# Altium PCB ES_Class6C_2L.PcbDoc
Units mm, origin at the board's own origin, x right, y up, seen from the top; angles counter-clockwise.
Board outline 120 x 30 mm, 2 copper layers (Top Layer, Bottom Layer), stack 1.586 mm thick; 66 components, 40 nets, 235 pads, 122 vias.
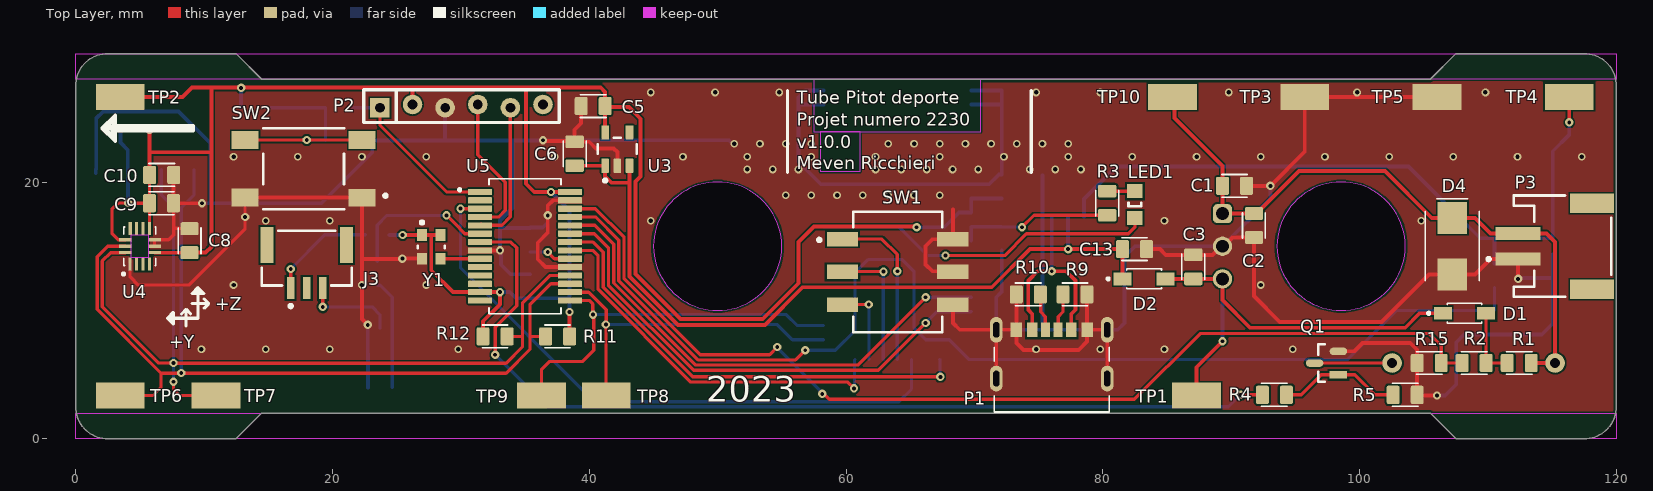
[diagram p0: Top Layer view]
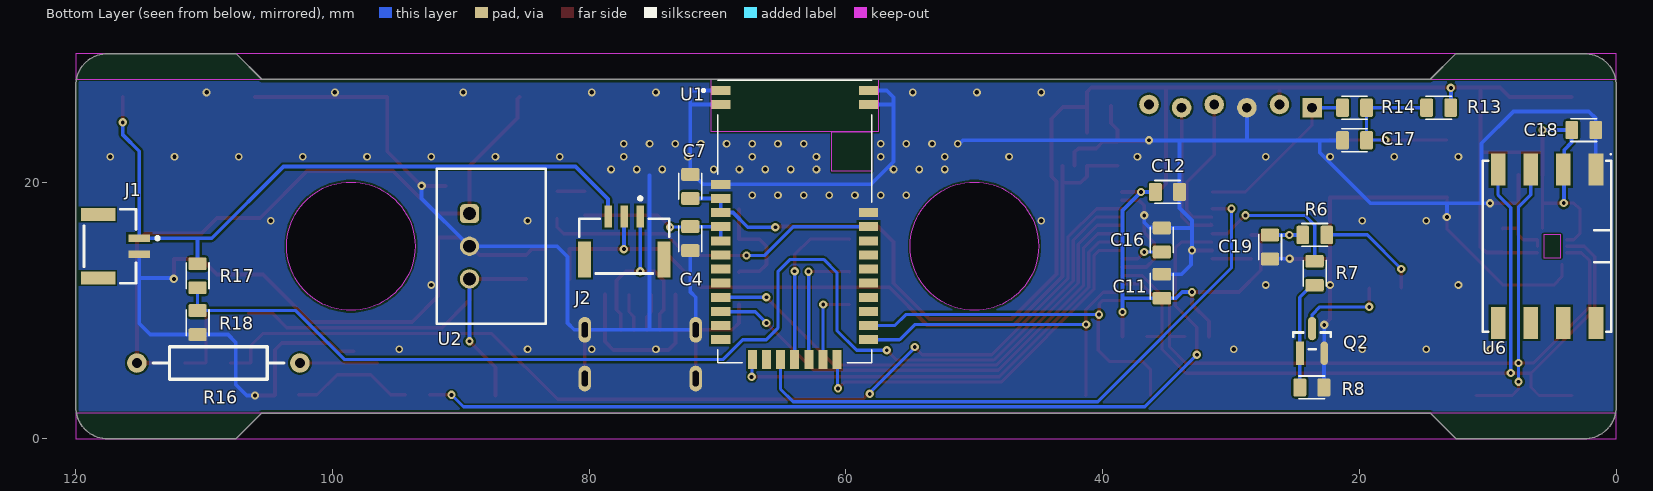
[diagram p1: Bottom Layer view, seen from below]
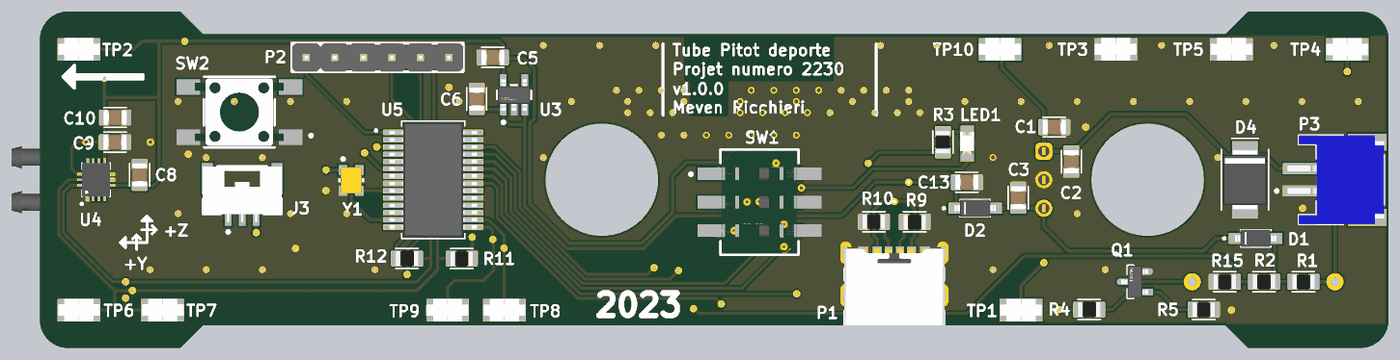
[diagram p2: 3D render of the assembled board from above, using the file's embedded part models]
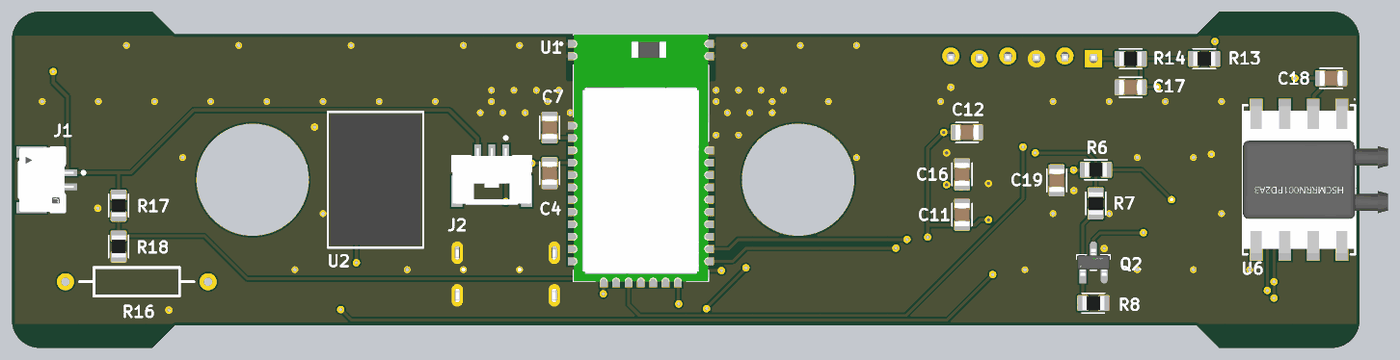
[diagram p3: 3D render of the assembled board from below, using the file's embedded part models]

## Layer stack, top to bottom
Top Solder: solder mask 0.0102, Solder Resist, Dk 3.5
Top Layer: signal copper 0.018
Dielectric1: core 1.55, FR-4, Dk 4.8
Bottom Layer: signal copper 0.018
Bottom Solder: solder mask 0.0102, Solder Resist, Dk 3.5

## Board outline
2.5,0 12.5,0 14.5,2 105.5,2 107.5,0 117.5,0 ccw(c117.5,2.5) 120,2.5 120,27.5 ccw(c117.5,27.5) 117.5,30 107.5,30 105.5,28 14.5,28 12.5,30 2.5,30 ccw(c2.5,27.5) 0,27.5 0,2.5 ccw(c2.5,2.5)

## Design rules (kind name [scope] priority, off if disabled: settings)
BoardOutlineClearance [All] p1: gap=0.25 ignorepadtopadclearanceinfootprint=FALSE except(0: Arc-SplitContinuation Track-SplitContinuation SMDPad-SplitContinuation THPad-SplitContinuation Via-SplitContinuation Fill-SplitContinuation Poly-SplitContinuation Region-SplitContinuation Text-SplitContinuation)
Clearance Clearance-xPP-xTP-xTT [All] p1: gap=0.151 ignorepadtopadclearanceinfootprint=FALSE
ComponentClearance [All] p1: gap=0.25 collisioncheckmode=3 verticalgap=0.25 showdistances=FALSE
DiffPairsRouting [All] p1: maxlimit=0.25 minlimit=0.25 mostfreqgap=0.25 toplayer_minwidth=0.381 toplayer_maxwidth=0.381 toplayer_prefwidth=0.381 bottomlayer_minwidth=0.381 bottomlayer_maxwidth=0.381 bottomlayer_prefwidth=0.381 maxuncoupledlength=12.5
Height [All] p1: minheight=0 maxheight=25 prefheight=12.5
HoleSize HoleSize-PTH [All] p1: absolutevalues=TRUE maxlimit=10 minlimit=0.25 maxpercent=80.000 minpercent=20.000
HoleToHoleClearance [All] p1: gap=0.35 allowstackedmicrovias=TRUE
MinimumAnnularRing "Minimum IAR  >0.45mm" [((ObjectKind = 'Pad') OR (ObjectKind = 'Via')) And (Layer = 'MultiLayer') And (HoleDiameter > AsMM(0.45))] p1: minimumring=0.175 // minimum inner annular ring for pads > 0.45mm finished hole size
MinimumAnnularRing "Minimum IAR <=0.45mm" [((ObjectKind = 'Pad') OR (ObjectKind = 'Via')) And (Layer = 'MultiLayer') And (HoleDiameter <= AsMM(0.45))] p2: minimumring=0.175 // minimum inner annular ring for pads <= 0.45mm finished hole size
MinimumSolderMaskSliver [All] p1: minsoldermaskwidth=0.08
PasteMaskExpansion [All] p1: expansion=-0.025
PlaneClearance PlaneClearance-IPI [All] p1: clearance=0.25
PlaneConnect [All] p1: planeconnectstyle=Relief reliefexpansion=0.175 reliefentries=4 reliefconductorwidth=0.2 reliefairgap=0.2
PolygonConnect PolygonConnect-xTW [All] p1: connectstyle=Direct reliefconductorwidth=0.2 reliefentries=4 polygonreliefangle="90 Angle" airgapwidth=0.2
RoutingCorners [All] p1: cornerstyle=45-Degree minsetback=2.5 maxsetback=2.5
RoutingVias RoutingViasES [All] p1: holewidth=0.3 width=0.65 viastyle="Through Hole" minholewidth=0.25 minwidth=0.61 maxholewidth=0.45 maxwidth=0.8 // finishet hole size <= 0.45mm
SilkToSilkClearance [All] p1: silktosilkclearance=0.2
SilkToSolderMaskClearance SilkscreenOverComponentPads [IsPad] p1: minsilkscreentomaskgap=0.05 clearancetoexposedcopper=TRUE
SolderMaskExpansion [All] p1: expansion=0 istentingtop=FALSE
UnRoutedNet [All] p1: checkbadconnections=TRUE
Width Width-PowerLine [InNetClass('PowerLine')] p1: maxlimit=0.5 minlimit=0.254 preferedwidth=0.3
Width Width-AllOther [All] p2: maxlimit=0.254 minlimit=0.254 preferedwidth=0.254
17 further rules are at their usual default settings.

## Classes and differential pairs
net class PowerLine: +3V3 +4V5 +5V GND VBAT VBUS VGEN

## Components (designator, comment, footprint, x,y, rotation, side; value= is the part's Value field where it differs from the comment)
C1 "25V" "0805 CAP T0.95" 90.26,19.7 r180 top value=10uF
C2 "25V" "0805 CAP T0.75" 91.775,16.615 r90 top value=100nF
C3 "10V" "0805 CAP T0.95" 87.05,13.395 r270 top value=10uF
C4 "10V" "0805 CAP T0.75" 72.125,15.59 r90 bottom value=1uF
C5 "10V" "0805 CAP T0.95" 40.306,25.916 r0 top value=1uF
C6 "10v" "0805 CAP T0.95" 38.866,22.201 r270 top value=1uF
C7 "10V" "0805 CAP T0.75" 72.125,19.66 r270 bottom value=100nF
C8 "10V" "0805 CAP T0.75" 8.875,15.435 r270 top value=10nF
C9 "10V" "0805 CAP T0.75" 6.685,18.35 r180 top value=100nF
C10 "10V" "0805 CAP T0.75" 6.697,20.55 r180 top value=2.2uF
C11 "10V" "0805 CAP T0.75" 35.4,11.885 r270 bottom value=100nF
C12 "10V" "0805 CAP T0.75" 34.965,19.228 r0 bottom value=100nF
C13 "10V" "0805 CAP T0.95" 82.475,14.775 r180 top value=10uF
C16 "10V" "0805 CAP T0.95" 35.4,15.485 r270 bottom value=10uF
C17 "10V" "0805 CAP T0.75" 20.39,23.25 r180 bottom value=100nF
C18 "10V" "0805 CAP T0.75" 2.535,24.05 r0 bottom value=100nF
C19 "10V" "0805 CAP T0.75" 26.975,14.94 r270 bottom value=10nF
D1 "BAT46W-7-F" SOD123 108.175,9.775 r180 top
D2 "BAT46W-7-F" SOD123 83.22,12.46 r180 top
D4 "B260-13-F" SMB-2 107.225,15 r90 top
J1 "SM02B-GHS-TB(LF)(SN)" FP-SM02B-GHS-TB_LF_SN-MFG 117.325,15 r270 bottom
J2 "BM03B-GHS-TBT(LF)(SN)(N)" FP-BM03B-GHS-TBT_LF_SN-MFG 77.275,15 r180 bottom locked
J3 "BM03B-GHS-TBT(LF)(SN)(N)" FP-BM03B-GHS-TBT_LF_SN-MFG 18,14.065 r180 top
LED1 "150080RS75000" 0805_A 82.5,18.25 r90 top
P1 "UJC-HP-3-SMT-TR" UJC-HP-3-SMT-TR 76.025,5.825 r0 top
P2 "ICSP" ICSP 23.7,25.914 r0 top
P3 "S2B-PH-SM4-TB(LF)(SN)" "JST- S2B-PH-SM4-TB(LF)(SN)-2_V" 115.8,15 r90 top
Q1 "DMG3414U-7" FP-SOT23-IPC_B 97.427,5.9 r180 top
Q2 "BSS138" FP-318-08-IPC_A 23.7,7.628 r90 bottom
R1 "Res2" "0805 Res" 112.43,5.905 r0 top value=10k
R2 "Res2" "0805 Res" 108.92,5.905 r180 top value=2k
R3 "Res2" "0805 Res" 80.345,18.35 r90 top value=260
R4 "Res2" "0805 Res" 93.365,3.425 r0 top value=430
R5 "Res2" "0805 Res" 103.55,3.425 r180 top value=10k
R6 "Res2" "0805 Res" 23.49,15.885 r180 bottom value=80
R7 "Res2" "0805 Res" 23.5,12.89 r270 bottom value=430
R8 "Res2" "0805 Res" 23.715,4 r180 bottom value=10k
R9 "Res2" "0805 Res" 77.835,11.245 r180 top value=5.1k
R10 "Res2" "0805 Res" 74.205,11.245 r0 top value=5.1k
R11 "Res2" "0805 Res" 37.535,7.975 r180 top value=10k
R12 "Res2" "0805 Res" 32.665,7.975 r0 top value=10k
R13 "Res2" "0805 Res" 13.84,25.787 r0 bottom value=10k
R14 "Res2" "0805 Res" 20.39,25.787 r180 bottom value=1k
R15 "Res2" "0805 Res" 105.42,5.905 r0 top value=3k
R16 "Res2" "RES 2W" 102.53,5.905 r0 bottom value=0
R17 "Res2" "0805 Res" 110.5,12.7 r270 bottom value=5k
R18 "Res2" "0805 Res" 110.5,9.05 r270 bottom value=5k
SW1 "219-3MSTR" FP-219-3MSTR-MFG 64.025,13 r270 top locked
SW2 "FSM2JSMAA" FP-FSM2JSMAA-MFG 17.75,21.035 r270 top
TP1 "5019" KSTN-5019_V 87.3,3.375 r180 top
TP2 "5019" KSTN-5019_V 3.475,26.625 r0 top
TP3 "5019" KSTN-5019_V 95.725,26.625 r0 top
TP4 "5019" KSTN-5019_V 116.325,26.625 r180 top
TP5 "5019" KSTN-5019_V 106.025,26.625 r0 top
TP6 "5019" KSTN-5019_V 3.475,3.375 r0 top
TP7 "5019" KSTN-5019_V 10.925,3.375 r0 top
TP8 "5019" KSTN-5019_V 41.325,3.375 r180 top
TP9 "5019" KSTN-5019_V 36.275,3.375 r180 top
TP10 "5019" KSTN-5019_V 85.425,26.625 r0 top
U1 "RN4678-V/100" RN4678-V_RM100 64,16.925 r180 bottom locked
U2 "173950536" 173950536 87.625,15 r270 bottom locked
U3 "TLV74333PDBVR" FP-DBV0005A-MFG 42.191,22.566 r90 top
U4 "ICM-42670-P" ICM-42670-P 5,15 r90 top locked
U5 "PIC32MX130F064B-I/SS" PIC32MX130F064B-I/SS 35,15 r0 top locked
U6 "785-HSCMRRN001PD2A3" HSCMRRN001PD2A3 5.4,15 r0 bottom
Y1 "ECS-2033-147.4-BN" FP-ECS-2033-MFG 27.7,14.95 r270 top

## Footprints (in the part's own frame and the unit in brackets; to place one, negate y for a bottom-side part, rotate by r counter-clockwise, add the part's x,y. Pads: shape width x height; smd on the part's side, far side on the other; paste and mask are expansions set on the pad)
"0805 CAP T0.75" [mm] "Small chip"
  rrect25% 1x1.42 smd: 1(-0.935,0) 2(0.935,0)
  silkscreen extent -1,-0.89 1,0.89, body extent -1.05,-0.67 1.05,0.67, height 0.75
"0805 CAP T0.95" [mm]
  rrect25% 1x1.42 smd: 1(-0.935,0) 2(0.935,0)
  silkscreen extent -1,-0.89 1,0.89, body extent -1.05,-0.67 1.05,0.67, height 0.95
"0805 Res" [mm]
  rrect25% 1x1.42 smd: 1(-0.935,0) 2(0.935,0)
  silkscreen extent -1,-0.89 1,0.89, body extent -1,-0.62 1,0.63, height 0.5
0805_A [mm] "Chip LED, 2-Leads, Body 2.0x1.3mm, IPC Medium Density"
  rect 1.1x1.2 smd: 1(-1.05,0) 2(1.05,0)
  silkscreen extent -0.15,-0.5 0.15,0.5, body extent -1,-0.62 1,0.63, height 0.68
173950536 [mm] "Alim Buck All In"
  rrect50% 1.5x1.5 hole 1: 1(-2.54,-1.7)
  round 1.5 hole 1: 2(0,-1.7) 3(2.54,-1.7)
  silkscreen extent -6.05,-4.25 6.05,4.25, body extent -5.8,-4 5.8,4, height 10.5
FP-219-3MSTR-MFG [mm]
  rect 1.13x2.44 smd paste+0 mask+0: 1(-2.54,-4.3) 2(0,-4.3) 3(2.54,-4.3) 4(2.54,4.3) 5(0,4.3) 6(-2.54,4.3)
  silkscreen extent -4.69,-6.23 4.69,3.47, body extent -4.54,-4.95 4.54,4.95, height 4.58
FP-318-08-IPC_A [mm]
  rect 1.824x0.618 smd paste+0 mask+0: 1(-0.96,0.95)
  rrect100% 1.824x0.618 smd paste+0 mask+0: 2(-0.96,-0.95) 3(0.96,0)
  silkscreen extent -0.65,-1.45 0.65,1.45, body extent -1.2,-1.45 1.2,1.45, height 1.11
FP-BM03B-GHS-TBT_LF_SN-MFG [mm]
  rect 0.6x1.7 smd paste+0 mask+0: 1(1.25,2.325) 2(0,2.325) 3(-1.25,2.325)
  rect 1x2.8 smd paste+0 mask+0: 4(-3.1,-1.025) 5(3.1,-1.025)
  silkscreen extent -3.5,-2.12 3.5,3.85, body extent -3.5,-2.13 3.5,2.83, height 4.25
FP-DBV0005A-MFG [mm]
  rrect17% 1.1x0.6 smd paste+0 mask+0: 1(-1.3,0.95) 2(-1.3,0) 3(-1.3,-0.95) 4(1.3,-0.95) 5(1.3,0.95)
  silkscreen extent -2.57,-1.53 0.87,1.53, body extent -1.95,-1.78 1.95,1.78, height 0.25
FP-ECS-2033-MFG [mm]
  rect 0.9x0.8 smd paste+0 mask+0: 1(-0.925,-0.725) 2(0.925,-0.725) 3(0.925,0.725) 4(-0.925,0.725)
  silkscreen extent -2.02,-1.05 0.1,1.05, body extent -1.48,-1.22 1.48,1.22, height 0.25
FP-FSM2JSMAA-MFG [mm]
  rect 1.38x2.1 smd paste+0 mask+0: 1(2.25,4.55) 2(2.24,-4.55) 3(-2.24,4.55) 4(-2.24,-4.55)
  silkscreen extent -3.15,-3.15 3.15,6.5, body extent -3.25,-5.7 3.25,5.7, height 0.25
FP-SM02B-GHS-TB_LF_SN-MFG [mm]
  rect 0.6x1.7 smd paste+0 mask+0: 1(-0.625,2.275) 2(0.625,2.275)
  rect 1x2.7 smd paste+0 mask+0: 3(-2.475,-0.925) 4(2.475,-0.925)
  silkscreen extent -2.88,-2.02 2.88,3.82, body extent -2.88,-2.02 2.88,2.83, height 4.35
FP-SOT23-IPC_B [mm]
  rect 1.359x0.587 smd paste+0 mask+0: 1(-0.927,0.915)
  rrect100% 1.359x0.587 smd paste+0 mask+0: 2(-0.927,-0.915) 3(0.927,0)
  silkscreen extent 0.13,-1.45 0.65,1.45, body extent -1.2,-1.45 1.2,1.45, height 1.1
HSCMRRN001PD2A3 [mm] "Capteur pression diff"
  rect 1.143x2.5 smd: 1(-3.81,-5.97) 2(-1.27,-5.97) 3(1.27,-5.97) 4(3.81,-5.97) 5(3.81,5.97) 6(1.27,5.97) 7(-1.27,5.97) 8(-3.81,5.97)
  silkscreen extent -5,-7.21 5,6.65, body extent -7.9,-6.55 5,6.55, height 6.7
ICM-42670-P [mm] "IMU 6-axes"
  rect 1x0.25 smd mask+0.05: 1(-1.397,0.762) 2(-1.397,0.254) 3(-1.397,-0.254) 4(-1.397,-0.762) 8(1.391,-0.75) 9(1.391,-0.25) 10(1.391,0.25) 11(1.391,0.75)
  rect 0.25x1 smd mask+0.05: 5(-0.5,-1.141) 6(0,-1.141) 7(0.5,-1.141) 12(0.5,1.141) 13(0,1.141) 14(-0.5,1.141)
  Keep-Out Layer region: 0.9,-0.65 -0.9,-0.65 -0.9,0.65 0.9,0.65
  silkscreen extent -2.26,-1.25 1.5,1.37, body extent -1.5,-1.25 1.5,1.25, height 0.81
ICSP [mil]
  rect 60x60 hole 30: 1(0,-5)
  round 60 hole 30: 2(100,5) 3(200,-5) 4(300,5) 5(400,-5) 6(500,5)
  silkscreen extent -50,-50 550,50, body extent -50,-50 550,50, height 330
"JST- S2B-PH-SM4-TB(LF)(SN)-2_V" [mm] "SMD, 2-Leads, Body 7.9x7.6mm, Pitch 2mm"
  rect 1x3.5 smd: 1(-1,3.45) 2(1,3.45)
  rect 1.5x3.4 smd: MP1(-3.35,-2.3) MP2(3.35,-2.3)
  silkscreen extent -3.95,-3.8 3.95,5.87, body extent -3.95,-3.8 3.95,4.8, height 5.6
KSTN-5019_V [mm] "Test Point, 1-Leads, Body 3.81x2.03mm"
  rect 3.8x2.03 smd: 1(0,0)
  body extent -1.91,-1.02 1.9,1.02, height 2.29
PIC32MX130F064B-I/SS [mm]
  rrect25% 1.9x0.48 smd: 1(-3.505,4.225) 2(-3.505,3.575) 3(-3.505,2.925) 4(-3.505,2.275) 5(-3.505,1.625) 6(-3.505,0.975) 7(-3.505,0.325) 8(-3.505,-0.325) 9(-3.505,-0.975) 10(-3.505,-1.625) 11(-3.505,-2.275) 12(-3.505,-2.925) 13(-3.505,-3.575) 14(-3.505,-4.225) 15(3.505,-4.225) 16(3.505,-3.575) 17(3.505,-2.925) 18(3.505,-2.275) 19(3.505,-1.625) 20(3.505,-0.975) 21(3.505,-0.325) 22(3.505,0.325) 23(3.505,0.975) 24(3.505,1.625) 25(3.505,2.275) 26(3.505,2.925) 27(3.505,3.575) 28(3.505,4.225)
  silkscreen extent -5.19,-5.25 2.8,5.25, body extent -3.9,-5.1 3.9,5.1, height 2
"RES 2W" [mil]
  round 60 hole 30: 1(0,0) 2(500,0)
  silkscreen extent 50,-50 450,50
RN4678-V_RM100 [mm] "Module bluetooth"
  rect 1.5x0.7 smd: 1(-5.75,10.2) 2(-5.75,9.1) 3(-5.75,2.9) 4(-5.75,1.8) 5(-5.75,0.7) 6(-5.75,-0.4) 7(-5.75,-1.5) 8(-5.75,-2.6) 9(-5.75,-3.7) 10(-5.75,-4.8) 11(-5.75,-5.9) 12(-5.75,-7) 13(-5.75,-8.1) 14(-5.75,-9.2) 22(5.75,-9.2) 23(5.75,-8.1) 24(5.75,-7) 25(5.75,-5.9) 26(5.75,-4.8) 27(5.75,-3.7) 28(5.75,-2.6) 29(5.75,-1.5) 30(5.75,-0.4) 31(5.75,0.7) 32(5.75,9.1) 33(5.75,10.2)
  rect 0.7x1.5 smd: 15(-3.3,-10.75) 16(-2.2,-10.75) 17(-1.1,-10.75) 18(0,-10.75) 19(1.1,-10.75) 20(2.2,-10.75) 21(3.3,-10.75)
  Keep-Out Layer region: 6,3.9 2.9,3.9 2.9,7 6,7
  Keep-Out Layer region: 6,3.9 2.9,3.9 2.9,7 6,7
  silkscreen extent -7.2,-11 6,11, body extent -6,-11 6,11, height 2.4
SMB-2 [mm]
  rect 2.5x2.3 smd: 1(-2.2,0) 2(2.2,0)
  silkscreen extent -2.7,-2.1 3.7,2.1, body extent -2.7,-1.95 2.7,1.95, height 2.5
SOD123 [mm]
  rect 1.4x1 smd: 1(-1.68,0) 2(1.68,0)
  silkscreen extent -1.35,-0.77 2.9,0.77, body extent -1.83,-0.77 1.83,0.77, height 1.43
UJC-HP-3-SMT-TR [mm]
  rect 0.7x1.15 smd: A5(-0.5,2.672) B5(0.5,2.672)
  rect 0.8x1.15 smd: A9(1.52,2.672) B9(-1.52,2.672)
  rect 0.9x1.15 smd: A12(2.75,2.672) B12(-2.75,2.672)
  oval 1x2 hole 0.5 slot 1.2 at 90 deg: S1(-4.32,2.667) S2(4.32,2.667) S3(-4.32,-1.133) S4(4.32,-1.133)
  silkscreen extent -4.47,-3.73 4.47,1.32, body extent -4.47,-3.77 4.47,3.13, height 3.23

## Part data
C1 C2 C3 C4 C5 C6 C7 C8 C9 C10 C11 C12 C13 C16 C17 C18 C19: library part Cap, "Capacitor", LatestRevisionDate=17-Jul-2002, LatestRevisionNote="Re-released for DXP Platform.", PackageDescription="Radial Cap, Thru-Hole; 2 Leads; 0.3 in Pin Spacing", PackageReference=RAD-0.3, Published=8-Jun-2000, Publisher="Altium Limited"
D1 D2 D4: library part "D Zener", "Zener Diode", LatestRevisionDate=17-Jul-2002, LatestRevisionNote="Re-released for DXP Platform.", PackageDescription="Diode, Thru-Hole; 2 Leads; 0.7 in Pin Spacing", PackageReference=DIODE-0.7, Published=8-Jun-2000, Publisher="Altium Limited"
J1: library part CMP-2000-07076-2, "CONN HEADER SMD R/A 2POS 1.25MM", Color=Natural, Current Rating=1A, Package Quantity=2500, Voltage Rating=50V, Connector Type="Outer Shroud Contact", Contact Material=Bronze, Contact Plating=Tin, Contact Type="Male Pin", Fastening Type=Latch, Housing Color=Natural, Housing Material=Nylon, Lead Free="Lead Free", Mount="Surface Mount", Number of Contacts=2, Number of Positions=2, Number of Rows=1, Orientation="Right Angle", Packaging="Tape and Reel", Pitch=0.049inch, Series=GH, Termination=Solder
J2 J3: library part CMP-17439-000058-1, "CONN HEADER SMD 3POS 1.25MM", Color=Natural, Flammability Rating="UL94 V-0", Max Operating Temperature=85°C, Min Operating Temperature=-25°C, Connector Type=Header, Contact Finish - Mating=TIN, Contact Material=Bronze, Contact Plating=Tin, Contact Shape=Rectangular, Contact Type="Outer Shroud Contact", Fastening Type=Ramp, Insulation Color=Natural, Insulation Material=Nylon, Lead Free="Lead Free", Mount="Surface Mount", Number of Positions=3, Number of Rows=1, Packaging="Cut Tape", Pitch=0.049inch, Series=GH, Termination=Solder
LED1: library part CMP-1426-00011-1, "SMD mono-color Chip LED, WL-SMCW, Red", Color=Red, Manufacturer="Wuerth Elektronik", ComponentLink1Description="Manufacturer URL", ComponentLink1URL=http://www.we-online.com, ComponentLink2Description=Datasheet, ComponentLink2URL=http://katalog.we-online.com/led/datasheet/150080RS75000.pdf, PackageReference=0805_A, PartNumber=150080RS75000
P1: library part UJC-HP-3-SMT-TR
P3: library part CMP-1755-00001-1, "Male Header, Pitch 2 mm, 1 x 2 Position, Height 5.5 mm, -25 to 85 degC, RoHS, Tape and Reel", Colour=Black, Current Rating="3 A", Max Operating Temperature=105degC, Min Operating Temperature=-65degC, Package Quantity=100, ComponentLink1Description="Manufacturer URL", ComponentLink1URL=http://www.jst.com/home2.html, ComponentLink2Description=Datasheet, ComponentLink2URL=http://www.jst-mfg.com/product/pdf/eng/ePH.pdf, Contact Finish=Lead, Contact Material=Bronze, Contact Plating=Tin, DatasheetVersion=Dec-12, Height="8.13 mm", Lead Pitch="0.1 inch", Length="101.19 mm", Mount="Through Hole", PackageDescription="Male Header, Pitch 2 mm, 1 x 2 Position, Height 5.5 mm", PackageReference=S2B-PH-SM4-TB(LF)(SN)-2, Packaging=Bulk, Pins=40, Radiation Hardening=No, RoHSCompliant=True, Width="2.34 mm"
Q1: library part CMP-12801-000101-1, "MOSFET N-CH 20V 4.2A SOT23", Case/Package=SOT-23-3, Continuous Drain Current (ID)=4.2A, Drain to Source Breakdown Voltage=20V, Drain to Source Resistance=25mR, Gate to Source Voltage (Vgs)=8V, Input Capacitance=829.9pF, Max Operating Temperature=150°C, Max Power Dissipation=780mW, Min Operating Temperature=-55°C, Package Quantity=3000, Drain to Source Voltage (Vdss)=20V, Element Configuration=Single, Fall Time=9.6ns, Height=1.1mm, Lead Free="Lead Free", Length=3mm, Mount="Surface Mount", Number of Channels=1, Number of Elements=1, Number of Pins=3, On-State Resistance=25mR, Packaging="Tape and Reel", Power Dissipation=780mW, Rds On Max=25mR, REACH SVHC="No SVHC", Rise Time=8.3ns, Turn-Off Delay Time=40.1ns, Turn-On Delay Time=8.1ns, Weight=0.000282oz, Width=1.4mm
Q2: library part CMP-07173-000101-1, "MOSFET N-CH 50V 220MA SOT-23", Case/Package=SOT-23, Continuous Drain Current (ID)=220mA, Drain to Source Breakdown Voltage=50V, Drain to Source Resistance=3.5R, Gate to Source Voltage (Vgs)=20V, Input Capacitance=27pF, Max Operating Temperature=150°C, Max Power Dissipation=360mW, Min Operating Temperature=-55°C, On-State Resistance=6R, Package Quantity=1, Threshold Voltage=1.3V, Contact Plating=Tin, Current Rating=220mA, Drain to Source Voltage (Vdss)=50V, Dual Supply Voltage=50V, Element Configuration=Single, Fall Time=9ns, Height=0.93mm, Lead Free="Lead Free", Length=2.92mm, Mount="Surface Mount", Nominal Vgs=1.3V, Number of Elements=1, Number of Pins=3, Packaging="Tape and Reel", Power Dissipation=360mW, Radiation Hardening=No, Rds On Max=3.5R, REACH SVHC="No SVHC", Rise Time=9ns, Termination=SMD/SMT, Turn-Off Delay Time=20ns, Turn-On Delay Time=2.5ns, Voltage Rating (DC)=50V, Weight=0.03g, Width=1.3mm
R1 R2 R3 R4 R5 R6 R7 R8 R9 R10 R11 R12 R13 R14 R15 R17 R18: "Resistor", LatestRevisionDate=17-Jul-2002, LatestRevisionNote="Re-released for DXP Platform.", PackageDescription="Axial Device, Thru-Hole; 2 Leads; 0.4 in Pin Spacing", PackageReference=AXIAL-0.4, Published=8-Jun-2000, Publisher="Altium Limited"
R16: "Resistor", Power=2W, LatestRevisionDate=17-Jul-2002, LatestRevisionNote="Re-released for DXP Platform.", PackageDescription="Axial Device, Thru-Hole; 2 Leads; 0.4 in Pin Spacing", PackageReference=AXIAL-0.4, Published=8-Jun-2000, Publisher="Altium Limited"
SW1: library part CMP-07018-000004-1, "SWITCH SLIDE DIP SPST 100MA 20V", Current Rating=100mA, Max Operating Temperature=85°C, Max Voltage Rating (DC)=20V, Min Operating Temperature=-55°C, Package Quantity=1000, Actuator Type="Slide (Standard)", Contact Material=Copper, Contact Plating=Gold, Electrical Life=2000Cycles, Lead Free="Lead Free", Length=0.358inch, Max Current Rating=100mA, Mechanical Life=2000Cycles, Mount="Surface Mount", Number of Positions=3, Orientation=Straight, Packaging="Tape and Reel", Pitch=0.1inch, Termination="Gull Wing", Throw Configuration=SPST, Voltage Rating (DC)=20V, Washable=Yes
SW2: library part CMP-03402-000003-1, "SWITCH TACTILE SPST-NO 0.05A 24V", Contact Current Rating=50mA, Contact Resistance=100mΩ, Manufacturer="TE Connectivity", Operating Force=260gf, Package=0, Temperature="-35°C to +85°C", Temperature Range High=+85°C, Temperature Range Low=-35°C, Voltage Rating Dc=24V, Automotive=No, Category=Switch, ComponentLink2Description=Datasheet, ComponentLink2URL=https://www.te.com/commerce/DocumentDelivery/DDEController?Action=showdoc&DocId=Customer+Drawing%7F2-1437565-7%7FV%7Fpdf%7FEnglish%7FENG_CD_2-1437565-7_V.pdf%7F2-1437565-8, Device Class L1=Electromechanical, Device Class L2=Switches, Device Class L3="Pushbutton Switches", Digikey Description="SWITCH TACTILE SPST-NO 0.05A 24V", Electromechanical Life=100000Cycles, Height=4.59mm, Lead Free=Yes, Manufacturer Part Number=FSM2JSMAA, Mount="Surface Mount", Mouser Description="Tactile Switches TACTILE 260G FORCE S", Octopart=https://octopart.com/fsm2jsmaa-te+connectivity-41720620, RoHS=TRUE, Standoff Height=0.05mm, Throw Configuration=SPST-NO
TP1 TP2 TP3 TP4 TP5 TP6 TP7 TP8 TP9 TP10: library part CMP-1672-00008-1, "Test Point, 1 Position SMD, RoHS, Tape and Reel", Package Quantity=1000, ComponentLink1Description="Manufacturer URL", ComponentLink1URL=http://www.keyelco.com/, ComponentLink2Description=Datasheet, ComponentLink2URL=http://www.keyelco.com/product-pdf.cfm?p=1357, Contact Plating=Silver, DatasheetVersion=03/2014, Mount="Surface Mount", Mounting Technology="Surface Mount", PackageDescription="1-Pin Surface Mount Device, Body 3.81 x 2.03 mm", PackageReference=5019, Packaging="Tape and Reel", Pins=1, RoHSCompliant=True
U1: "Bluetooth Bluetooth v5.0 Transceiver Module 2.4GHz Integrated, Chip Surface Mount"
U2: library part 710-173950536, "Buck 5V"
U3: library part CMP-04917-000051-1, "IC REG LINEAR 3.3V 300MA SOT23-5", Dropout Voltage=125mV, Manufacturer="Texas Instruments", Max Junction Temp=+125°C, Max Supply Voltage=5.5V, Min Supply Voltage=1.4V, Nominal Supply Current=34uA, Output Current=300mA, Output Voltage=1-3.3V, Package=DBV0005A, Temperature="-40°C to +125°C", Temperature Range Low=-40°C, Accuracy Percentage=1%, Automotive=No, Category=IC, ComponentLink2Description=Datasheet, ComponentLink2URL=http://www.ti.com/lit/ds/symlink/tlv743p.pdf, Device Class L1="Integrated Circuits (ICs)", Device Class L2="Power Management ICs", Device Class L3="Voltage Regulators - Linear", Digikey Description="IC REG LINEAR 3.3V 300MA SOT23-5", Height=1.45mm, Lead Free=Yes, Manufacturer Part Number=TLV74333PDBVR, Mouser Description="300mA Low-Dropout (LDO) Regulator 5-SOT-23 -40 to 125", Number Of Outputs=1, Octopart=https://octopart.com/tlv74333pdbvr-texas+instruments-84791760, Output Type=Fixed, RoHS=TRUE, Standoff Height=0mm, Temperature Range High=+125°C
U4: "6 axis IMU"
Y1: library part CMP-40224-000021-1, "XTAL OSC XO 25.0000MHZ CMOS SMD", Case/Package=SMD/SMT, Frequency=25MHz, Frequency Stability=50ppm, Max Operating Temperature=85°C, Max Supply Current=13mA, Min Operating Temperature=-40°C, Package Quantity=1, Height=0.035inch, Lead Free="Lead Free", Length=0.098inch, Mount="Surface Mount", Packaging="Tape and Reel", Width=0.079inch

## Free pads (board coordinates)
  round 5 hole 10: RAM(50,15) RAM(98.565,15)

## Via types
v1: diameter 0.6, hole 0.35, Top Layer to Bottom Layer, 75 vias
v2: diameter 0.65, hole 0.3, Top Layer to Bottom Layer, 47 vias

## Nets (pads, with @x,y where several pads share a name; then routed paths per layer and width w, separated by ;. In a path a pad name is that pad's centre, name@x,y a point inside that pad or via, vN(x,y) a via of type N, cw(c..) or ccw(c..) an arc to the next point about the centre after c; other vN are vias at no path point)
+3V3: C5.2 C7.2 C8.2 C9.2 C10.2 C11.2 C12.2 C18.2 C19.1 P2.2 R6.1 R11.1 R12.1 R13.1 TP2.1 U1.4 U1.5 U3.5 U4.5 U4.8 U4.12 U5.13 U5.28 U6.2 Y1.1 Y1.4 | length 188.1
  Top Layer w0.254: U4.12 3.325,15.5 2.825,16 2.825,17.875 3.313,18.363 v2(4.103,18.363) ; v2@4.116,18.35 C9.2 ; U4.8@5.756,16.391 C10.2@5.756,20.55 ; U4.5 C8.2
  Top Layer w0.3: TP2.1 8.337,26.625 9.062,27.35 10.575,27.35 ; C10.2@5.759,20.553 C10.2 5.762,22.325 ; v2@5.762,24.05 5.762,22.325 ; C8.2 10.125,14.5 10.575,14.95 10.575,22.35 ; v2(25.465,15.875) Y1.1 27.7,15.875 ; P2.2 26.24,27.29 26.3,27.35 ; Y1.4 27.7,15.875 ; R12.1 31.73,9.155 33.05,10.475 v2(33.05,11.425) U5.13 29.4,11.425 27.7,13.125 27.7,15.875 ; R11.1 v2(38.47,9.883) ; U5.28 v2(37.025,19.225) 35.72,19.225 35.075,19.87 35.075,27.325 35.1,27.35 ; U3.5 C5.2@41.241,25.831 ; v2(65.5,16.475) 65.45,16.525 57.5,16.525 56.3,15.325 56.3,12.113 53.513,9.326 47.102,9.326 43.592,12.836 43.592,20.028 44,20.436 44,24.925 43.094,25.831 C5.2@41.241,25.831 ; 5.762,22.325 10.55,22.325 10.575,22.35 ; 10.575,22.35 10.575,27.35 ; 10.575,27.35 12.875,27.35 v2(12.89,27.335) 12.905,27.35 26.3,27.35 ; 26.3,27.35 35.1,27.35 ; 35.1,27.35 40.9,27.35 41.225,27.025 41.225,25.847 C5.2@41.241,25.831
  Bottom Layer w0.3: v2@4.089,18.388 4.089,20.97 4.056,21.003 4.056,22.494 3.484,23.066 3.484,24.036 C18.2 v2(5.75,24.05) ; v2(12.89,27.335) 12.89,25.802 R13.1 ; R6.1 24.435,15.875 v2(25.465,15.875) C19.1 C19.1@26.974,15.876 ; v2(33.05,11.425) 33.81,11.425 34.285,10.95 C11.2 38.47,10.95 ; C12.2 v2@37.022,19.228 ; v2(37.025,19.225) 38.47,17.78 38.47,10.95 ; v2(38.47,9.883) 38.47,10.95 ; v2(65.5,16.475) 67.65,16.475 68.8,17.625 U1.5 U1.4 C7.2
+4V5: C6.2 C13.2 D2.2 J2.2 U3.1 U3.3 | length 61.2
  Top Layer w0.3: C6.2 U3.1 41.241,20.436 41.736,19.941 43.141,19.941 ; U3.3 43.141,19.941 ; D2.2 C13.2 v2(77.3,14.775) 74.325,14.775 71.35,11.8 56.625,11.8 53.7,8.875 46.916,8.875 43.141,12.65 43.141,19.941
  Bottom Layer w0.3: J2.2 77.288,17.312 77.288,14.788 v2(77.3,14.775)
+5V: C3.2 D1.2 D2.1 TP1.1 U2.3 | length 34.5
  Top Layer w0.3: D2.1 C3.2 U2.3 89.325,10.8 91.472,8.653 103.558,8.653 104.68,9.775 D1.2 ; TP1.1 87.3,5.572 v2(89.325,7.597)
  Bottom Layer w0.3: v2(89.325,7.597) U2.3
AN_V_BAT: R17.2 R18.1 U5.25 | length 93.5
  Top Layer w0.254: U5.25 40.512,17.275 42.308,15.479 42.308,12.305 48.468,6.145 56.071,6.145 v2(56.825,6.899)
  Bottom Layer w0.254: v2(56.825,6.899) 59.174,6.899 60.7,8.425 60.7,12.925 61.75,13.975 64.35,13.975 65.3,13.025 65.3,8.625 66.2,7.725 68.05,7.725 69.6,6.175 99.05,6.175 102.86,9.985 R18.1 R17.2
AN_V_GEN: R2.2 R15.2 U5.26 | length 82
  Top Layer w0.254: U5.26 40.486,17.925 42.713,15.698 42.713,12.472 48.635,6.55 54.047,6.55 v2(54.647,7.15) ; v2(58.15,3.5) 58.257,3.5 58.682,3.075 82.46,3.075 87.585,8.2 105.422,8.2 106.355,7.267 R15.2 R2.2
  Bottom Layer w0.254: v2(54.647,7.15) 54.647,7.077 58.15,3.573 v2(58.15,3.5)
GND: C1.1 C2.1 C3.1 C4.1 C5.1 C6.1 C7.1 C8.1 C9.1 C10.1 C11.1 C12.1 C13.1 C16.1 C17.1 C18.1 C19.2 D4.1 J1.2 P1.A12 P1.B12 P1.S1 P1.S2 P1.S3 P1.S4 P2.3 P3.1 Q1.2 Q2.2 R5.1 R8.2 R9.1 R10.1 R15.1 R18.2 SW1.4 SW1.5 SW1.6 SW2.1 SW2.2 TP3.1 TP5.1 U1.1 U1.2 U1.3 U1.31 U1.32 U1.33 U2.2 U3.2 U4.1 U4.6 U4.7 U5.8 U5.19 U5.27 U6.1 Y1.2 | length 376.2
  Top Layer w0.254: U4.1 4.238,12.612 4.875,11.975 8.82,11.975 13.2,16.355 v2(13.2,17.275) SW2.2 ; U4.6 U4.7 7.235,15.5 7.632,15.897 7.632,16.391 ; C9.1 7.632,18.338 7.632,16.391 ; C8.1 8.854,16.391 7.632,16.391
  Top Layer w0.3: C10.1 7.626,20.544 7.626,18.356 C9.1 v2(9.838,18.35) ; SW2.2 22.29,18.795 SW2.1 22.3,14.015 ; v2(22.75,8.875) 22.3,9.325 22.3,14.015 ; Y1.2 26.965,14.035 v2(25.45,14.035) 25.43,14.015 22.3,14.015 ; U5.8 v2(33.05,14.675) ; v2(36.4,23.25) 36.457,23.193 38.809,23.193 C6.1 ; U5.19 36.6,13.375 35.988,13.987 35.988,15.273 36.775,16.06 v2(36.775,17.4) 36.775,18.175 37.175,18.575 U5.27 ; C5.1 39.371,24.575 38.866,24.07 C6.1 ; U3.2 42.191,22.334 41.9,22.625 40.511,22.625 40,23.136 C6.1 ; SW1.4 68.325,9.025 68.858,8.492 P1.S1 ; SW1.5 68.275,13.05 66.725,13.05 66.2,13.575 66.2,15 66.74,15.54 SW1.6 68.325,17.866 ; P1.S3 P1.S1 ; R10.1 73.27,8.502 P1.B12 ; R9.1 78.77,8.502 P1.A12 P1.A12@78.78,8.492 ; P1.S4 P1.S2 P1.A12@78.78,8.492 ; C13.1 84.455,14.775 84.9,14.33 C3.1 88.549,14.33 89.219,15 U2.2 ; U2.2@89.414,15 90.094,15.68 C2.1 91.775,11.115 93.786,9.104 101.704,9.104 105.4,12.8 D4.1 109,12.8 110.2,14 P3.1 v2(112.35,12.46) ; C1.1 v2(93.05,19.7) 95.725,22.375 TP3.1 TP5.1 ; Q1.2 99.565,6.815 100.225,7.475 103.95,7.475 104.485,6.94 R15.1 R5.1 104.535,3.375 v2(106.025,3.375) ; P1.S1 73.27,8.492 P1.B12 ; P1.B12 73.275,7.475 73.825,6.925 78.125,6.925 78.78,7.58 P1.A12@78.78,8.492
  Bottom Layer w0.3: U6.1@1.565,20.716 1.565,20.97 1.6,21.005 C18.1 1.6,24.95 2.15,25.5 8.025,25.5 10.5,23.025 10.5,18.35 ; v2(9.838,18.35) 10.5,18.35 ; v2(13.2,17.275) 13.2,18.325 13.225,18.35 ; C17.1 21.35,23.225 23.1,23.225 ; v2(22.75,8.875) Q2.2 22.765,6.653 22.765,4.015 R8.2 ; v2(25.45,14.035) 25.465,14.02 26.96,14.02 C19.2 ; P2.3 28.78,23.225 ; C11.1 33.856,12.82 33.117,13.559 33.117,14.608 v2(33.05,14.675) 33.05,16.42 ; v2(36.775,17.4) 36.775,16.85 36.384,16.459 35.439,16.459 C16.1 33.05,16.42 ; 50.999,23.136 50.885,23.25 v2(36.4,23.25) 36.375,23.225 34.03,23.225 ; U1.32 58.242,26.033 56.306,26.033 56.298,26.041 ; U1.33 56.825,27.125 56.298,26.598 56.298,26.041 ; U1.2 72.109,26.025 72.125,26.041 ; U1.1 72.125,27.125 72.125,26.041 ; C4.1 72.125,11.445 71.705,11.025 P1.S1 75.3,8.492 ; 75.3,20.495 75.3,8.492 ; v2(93.05,19.7) 93.05,18.725 U2.2 82.52,15 81.7,14.18 81.7,9.025 81.167,8.492 P1.S2 75.3,8.492 ; v2(106.025,3.375) 106.675,3.375 107.525,4.225 107.525,7.5 108.14,8.115 R18.2 114.19,8.115 115.05,8.975 115.05,12.525 ; v2(112.35,12.46) 112.415,12.525 115.05,12.525 ; J1.2 115.05,12.525 ; 10.5,18.35 13.225,18.35 ; 13.225,18.35 19.154,18.35 23.1,22.296 23.1,23.225 ; 23.1,23.225 28.78,23.225 ; 28.78,23.225 34.03,23.225 ; 33.05,16.42 33.05,17.008 34.03,17.988 C12.1 34.03,23.225 ; 56.298,26.041 56.298,21.574 58.048,19.825 U1.3 71.145,19.825 71.915,20.595 C7.1 72.125,26.041
  other v1: 9.8,6.98 14.8,6.98 19.8,6.98 29.8,6.98 74.8,6.98 79.8,6.98 84.8,6.98 94.8,6.98 12.3,11.98 22.3,11.98 27.3,11.98 92.3,11.98 14.8,16.98 19.8,16.98 44.8,16.98 84.8,16.98 104.8,16.98 55.3,18.98 57.3,18.98 59.3,18.98 61.3,18.98 63.3,18.98 65.3,18.98 67.3,18.98 52.3,20.98 54.3,20.98 56.3,20.98 62.3,20.98 64.3,20.98 66.3,20.98 68.3,20.98 70.3,20.98 74.3,20.98 76.3,20.98 78.3,20.98 12.3,21.98 17.3,21.98 22.3,21.98 27.3,21.98 37.3,21.98 47.3,21.98 52.3,21.98 57.3,21.98 62.3,21.98 67.3,21.98 72.3,21.98 77.3,21.98 82.3,21.98 87.3,21.98 92.3,21.98 97.3,21.98 102.3,21.98 107.3,21.98 112.3,21.98 117.3,21.98 51.3,22.98 53.3,22.98 55.3,22.98 57.3,22.98 63.3,22.98 65.3,22.98 67.3,22.98 69.3,22.98 71.3,22.98 73.3,22.98 75.3,22.98 77.3,22.98 44.8,26.98 49.8,26.98 54.8,26.98 74.8,26.98 79.8,26.98 89.8,26.98 99.8,26.98 109.8,26.98
LDO33_O: C4.2 R3.1 U1.6 U1.7 | length 12.1
  Top Layer w0.254: v2(73.703,16.475) 74.642,17.415 R3.1
  Bottom Layer w0.254: U1.7 U1.6 C4.2 72.15,16.5 73.678,16.5 v2(73.703,16.475)
MCLR: P2.1 R14.1 U5.1 | length 13.7
  Top Layer w0.254: P2.1 23.707,25.779 23.707,24.405 28.887,19.225 U5.1
  Bottom Layer w0.254: R14.1 P2.1
NetC16_2: C16.2 U5.20 | length 3.3
  Top Layer w0.254: v2(36.775,14.55) 37.292,14.033 38.497,14.033 U5.20
  Bottom Layer w0.254: C16.2 v2(36.775,14.55)
NetC17_2: C17.2 R13.2 R14.2 SW2.3 SW2.4 | length 17.8
  Top Layer w0.254: SW2.4 v2(18,23.275) SW2.3
  Bottom Layer w0.254: R13.2 R14.2 C17.2 19.43,23.275 v2(18,23.275)
NetD1_1: D1.1 R1.1 R2.1 | length 5.5
  Top Layer w0.254: D1.1 R2.1 R1.1
NetJ3_1: J3.1 R6.2 | length 8.4
  Top Layer w0.254: J3.1 v2(16.75,13.225)
  Bottom Layer w0.254: v2(16.75,13.225) 19.41,15.885 R6.2
NetJ3_3: J3.3 Q2.3 | length 7.2
  Top Layer w0.254: v2(19.25,10.275) J3.3
  Bottom Layer w0.254: v2(19.25,10.275) 23.1,10.275 23.7,9.675 Q2.3
NetLED1_1: LED1.1 U1.30 | length 26.8
  Top Layer w0.254: v2(67.75,14.275) 72.355,14.275 74.055,15.975 82,15.975 82.5,16.475 LED1.1
  Bottom Layer w0.254: U1.30 64.125,16.525 66.375,14.275 v2(67.75,14.275)
NetLED1_2: LED1.2 R3.2 | length 2.2
  Top Layer w0.254: R3.2 82.485,19.285 LED1.2
NetP1_A5: P1.A5 R10.2 | length 2.9
  Top Layer w0.254: R10.2 75.168,11.216 75.168,9.879 75.525,9.523 P1.A5
NetP1_B5: P1.B5 R9.2 | length 2.9
  Top Layer w0.254: P1.B5 76.525,9.504 76.9,9.879 R9.2
NetQ1_1: Q1.1 R4.2 R5.2 | length 9.6
  Top Layer w0.254: R4.2 95.45,3.425 97.01,4.985 Q1.1 99.64,4.985 101.2,3.425 R5.2
NetQ1_3: Q1.3 R16.1 | length 6
  Top Layer w0.254: Q1.3 96.503,5.903 102.527,5.903 R16.1
NetQ2_1: Q2.1 R7.2 R8.1 | length 8.6
  Bottom Layer w0.254: R7.2 23.71,11.955 24.65,11.015 Q2.1 R8.1
NetSW1_1: SW1.1 U1.18 | length 13
  Top Layer w0.254: SW1.1 59.746,15.561 62.802,15.561 64,14.363 v2(64,13.05)
  Bottom Layer w0.254: U1.18 v2(64,13.05)
NetSW1_2: SW1.2 U1.19 | length 10.1
  Top Layer w0.254: SW1.2 59.75,13.025 v2(62.916,13.025)
  Bottom Layer w0.254: U1.19 62.908,6.183 62.908,13.017 v2(62.916,13.025)
NetSW1_3: SW1.3 U1.20 | length 6.3
  Top Layer w0.254: SW1.3 v2(61.775,10.46)
  Bottom Layer w0.254: v2(61.775,10.46) 61.797,10.438 61.797,6.178 U1.20
OSC: U5.9 Y1.3 | length 3.1
  Top Layer w0.254: Y1.3 U5.9
P0_4_BLE: U1.11 U5.24 | length 39.7
  Top Layer w0.254: U5.24 40.438,16.625 41.903,15.16 41.903,12.137 48.3,5.74 60.915,5.74 v2(66.2,11.025)
  Bottom Layer w0.254: v2(66.2,11.025) U1.11
P1_5_BLE: U1.12 U5.23 | length 39.3
  Top Layer w0.254: U5.23 40.394,15.975 41.498,14.871 41.498,11.969 48.132,5.335 62.51,5.335 v2(66.2,9.025)
  Bottom Layer w0.254: v2(66.2,9.025) 67.075,9.9 69.725,9.9 U1.12
PGEC1: P2.5 U5.5 | length 11.3
  Top Layer w0.254: U5.5@31.608,16.738 U5.5 33.206,16.625 33.86,17.279 P2.5
PGED1: P2.4 U5.4 | length 11.3
  Top Layer w0.254: P2.4 31.32,22.13 33.455,19.995 33.455,17.796 32.933,17.274 U5.4 U5.4
PWM_F_MOT: R4.1 U5.7 | length 73.9
  Top Layer w0.254: U5.7 33.896,15.325 34.35,14.871 34.35,10.366 32.675,8.691 v2(32.675,6.55) ; v2(90.725,3.425) R4.1
  Bottom Layer w0.254: v2(32.675,6.55) 36.733,2.492 89.792,2.492 v2(90.725,3.425)
RESET_BLE: U1.21 U5.21 | length 30.4
  Top Layer w0.254: U5.21 40.266,14.675 40.688,14.253 40.688,11.634 47.899,4.422 60.128,4.422 v2(60.625,3.925)
  Bottom Layer w0.254: v2(60.625,3.925) 60.662,3.962 60.662,6.138 U1.21
SCL1: R11.2 TP6.1 U4.13 U5.17 U6.4 | length 72.5
  Top Layer w0.254: TP6.1 6.025,3.375 6.65,4 6.65,5.1 ; U4.13 2.5,15 1.675,14.175 1.675,10.075 6.65,5.1 ; R11.2 35.38,7.975 ; U5.17 37.018,12.075 35.38,10.437 35.38,7.975 ; 6.65,5.1 8.203,5.1 v2(8.228,5.125) 8.253,5.1 33.525,5.1 35.38,6.955 35.38,7.975
  Bottom Layer w0.254: v2(8.228,5.125) 8.228,18.002 9.21,18.984 U6.4
SDA1: R12.2 TP7.1 U4.14 U5.18 U6.3 | length 70.9
  Top Layer w0.254: U4.14 2.725,14.5 2.08,13.855 2.08,10.295 6.475,5.9 v2(7.625,5.9) ; v2(7.625,4.45) 7.625,3.85 8.1,3.375 TP7.1 ; v2@7.647,5.878 33.528,5.878 34.8,7.15 34.8,7.975 ; R12.2 34.8,7.975 ; U5.18 36.973,12.725 34.8,10.552 34.8,7.975
  Bottom Layer w0.254: U6.3 6.67,19.004 7.625,18.049 v2(7.625,5.9) v2(7.625,4.45)
SIGN_LED: R7.1 U5.6 | length 11.7
  Top Layer w0.254: v2(28.887,17.4) 29.514,16.773 30.312,15.975 U5.6
  Bottom Layer w0.254: R7.1 23.5,16.65 24.25,17.4 v2(28.887,17.4)
U1CTS: U1.17 U5.3 | length 48.3
  Top Layer w0.254: v2(29.975,17.925) U5.3
  Bottom Layer w0.254: v2(29.975,17.925) 29.975,13.324 40.402,2.897 64.122,2.897 65.1,3.875 U1.17
U1RTS: U1.15 U5.22 | length 36.2
  Top Layer w0.254: U5.22 40.3,15.325 41.093,14.532 41.093,11.801 48.067,4.827 v2(67.348,4.827)
  Bottom Layer w0.254: U1.15 67.324,6.151 67.324,4.851 v2(67.348,4.827)
U1RX: TP9.1 U1.23 U5.15 | length 30.5
  Top Layer w0.254: TP9.1 36.275,5.378 36.922,6.025 39.5,6.025 40.359,6.884 40.359,9.616 40.267,9.708 40.267,10.508 40,10.775 U5.15
  Bottom Layer w0.254: v2(40.3,9.675) 55.35,9.675 56.2,8.825 U1.23
U1TX: TP8.1 U1.22 U5.16 | length 27.5
  Top Layer w0.254: U5.16 39.95,11.425 41.325,10.05 41.325,8.925 v2(41.3,8.9) 41.3,3.4 TP8.1
  Bottom Layer w0.254: v2(41.3,8.9) 54.65,8.9 55.825,7.725 U1.22
VBAT: J1.1 J2.3 R17.1 TP4.1 | length 54.8
  Top Layer w0.3: v2(116.325,24.65) TP4.1
  Bottom Layer w0.3: J2.3 78.525,18.675 81.054,21.204 103.818,21.204 109.397,15.625 110.5,15.625 ; R17.1 110.5,15.625 ; v2(116.325,24.65) 116.325,23.675 115.05,22.4 J1.1 110.5,15.625
VBUS: J2.1 P1.A9 P1.B9 | length 16.5
  Top Layer w0.3: P1.B9 74.505,9.72 74.2,10.025 74.2,12.325 74.925,13.05 v2(76.025,13.05) 77.144,13.05 77.875,12.319 77.875,10.054 77.545,9.724 P1.A9
  Bottom Layer w0.3: v2(76.025,13.05) J2.1
VGEN: C1.2 C2.2 D4.2 P3.2 R1.2 R16.2 TP10.1 U2.1 | length 51.5
  Top Layer w0.3: TP10.1 85.589,26.461 85.589,24.976 89.325,21.24 C1.2 U2.1 89.33,17.545 91.77,17.545 C2.2 91.985,17.55 95.285,20.85 101.975,20.85 105.625,17.2 D4.2 109,17.2 110.2,16 P3.2 114.55,16 115.23,15.32 R16.2 R1.2
pads on no net: J1.3 J1.4 J2.4 J2.5 J3.2 J3.4 J3.5 P2.6 P3.MP1 P3.MP2 U1.8 U1.9 U1.10 U1.13 U1.14 U1.16 U1.24 U1.25 U1.26 U1.27 U1.28 U1.29 U3.4 U4.2 U4.3 U4.4 U4.9 U4.10 U4.11 U5.2 U5.10 U5.11 U5.12 U5.14 U6.5 U6.6 U6.7 U6.8

## Polygon pours and split planes (outlines as drawn)
GND on Top Layer "GND_L01_P010" (solid, remove dead copper, pour order 10): 0,30 0,0 120,0 120,30
GND on Top Layer "GND_L01_P008" (solid, pour order 8): 50.475,23.775 50.475,17.275 68.78,17.275 68.78,19.424 78.625,19.424 78.625,23.775
GND on Bottom Layer "GND_L02_P009" (solid, remove dead copper, pour order 9): 0,30 0,0 120,0 120,30
GND on Bottom Layer "GND_L02_P006" (solid, pour order 6): 68.781,19.425 68.781,18.256 67.6,17.075 50.475,17.075 50.475,28 78.625,28 78.625,19.425

## Keep-outs
Keep-Out Layer:
  rectangle: 57.5,23.925 70.5,28
  region: 45,15 ccw(c50,15) 50,10 ccw(c50,15) 55,15 ccw(c50,15) 50,20 ccw(c50,15)
  region: 93.565,15 ccw(c98.565,15) 98.565,10 ccw(c98.565,15) 103.565,15 ccw(c98.565,15) 98.565,20 ccw(c98.565,15)
  region: 120,30 120,28 0,28 0,30
  region: 0,0 0,2 120,2 120,0

## Silkscreen, mask and mechanical layers (free items; w line width, h text height)
Top Overlay:
  lines w0.254: 2.326,24.198 3.001,23.523 ; 2.375,24.225 2.405,24.225 3.08,24.9 ; 2.651,24.217 2.728,24.217 3.031,24.52 ; 2.72,24.137 3.024,23.833 ; 2.891,23.977 9.168,23.977 9.168,24.185 ; 2.904,24.393 9.168,24.393 9.168,24.185 ; 7.385,9.178 7.385,9.623 ; 8.246,9.721 8.6,10.075 ; 8.6,8.8 8.6,10.075 ; 8.954,9.721 8.6,10.075 ; 9.08,10.536 10.355,10.536 ; 9.303,11.54 9.748,11.54 ; 10.001,10.182 10.355,10.536 ; 10.001,10.889 10.355,10.536 ; 55.445,20.75 55.445,27.125 ; 74.42,20.75 74.42,27.125 ; 2.05,24.185 3.08,23.155 3.08,25.215 2.05,24.185 ; 2.05,24.185 9.168,24.185 ; 7.162,9.4 9.525,9.4 9.525,11.763 ; 7.162,9.4 7.607,8.955 7.607,9.845 7.162,9.4 ; 9.525,11.763 9.08,11.318 9.97,11.318 9.525,11.763
  text "Tube Pitot deporte" at 56.163,26.089 h1
  text "Projet numero 2230" at 56.163,24.398 h1
  text "v1.0.0" at 56.163,22.63 h1
  text "Meven Ricchieri" at 56.163,20.98 h1
  text "+Z" at 10.875,10 h1
  text "+Y" at 7.3,7.035 h1
  text "2023" at 49.125,2.875 h2
Board Outline (ES):
  the board outline again, w0.254

## Dimensions
0,0 to 0,30 on Top Dims
50,15 to 98.565,15 on Top Dims
0,0 to 50,15 on Top Dims